# Altium PCB 磁感采集.PcbDoc
Units mil, origin at the board's own origin, x right, y up, seen from the top; angles counter-clockwise.
Board outline 2020.24 x 1041.32 mil, 2 copper layers (Top Layer, Bottom Layer); 37 components, 27 nets, 110 pads, 15 vias.
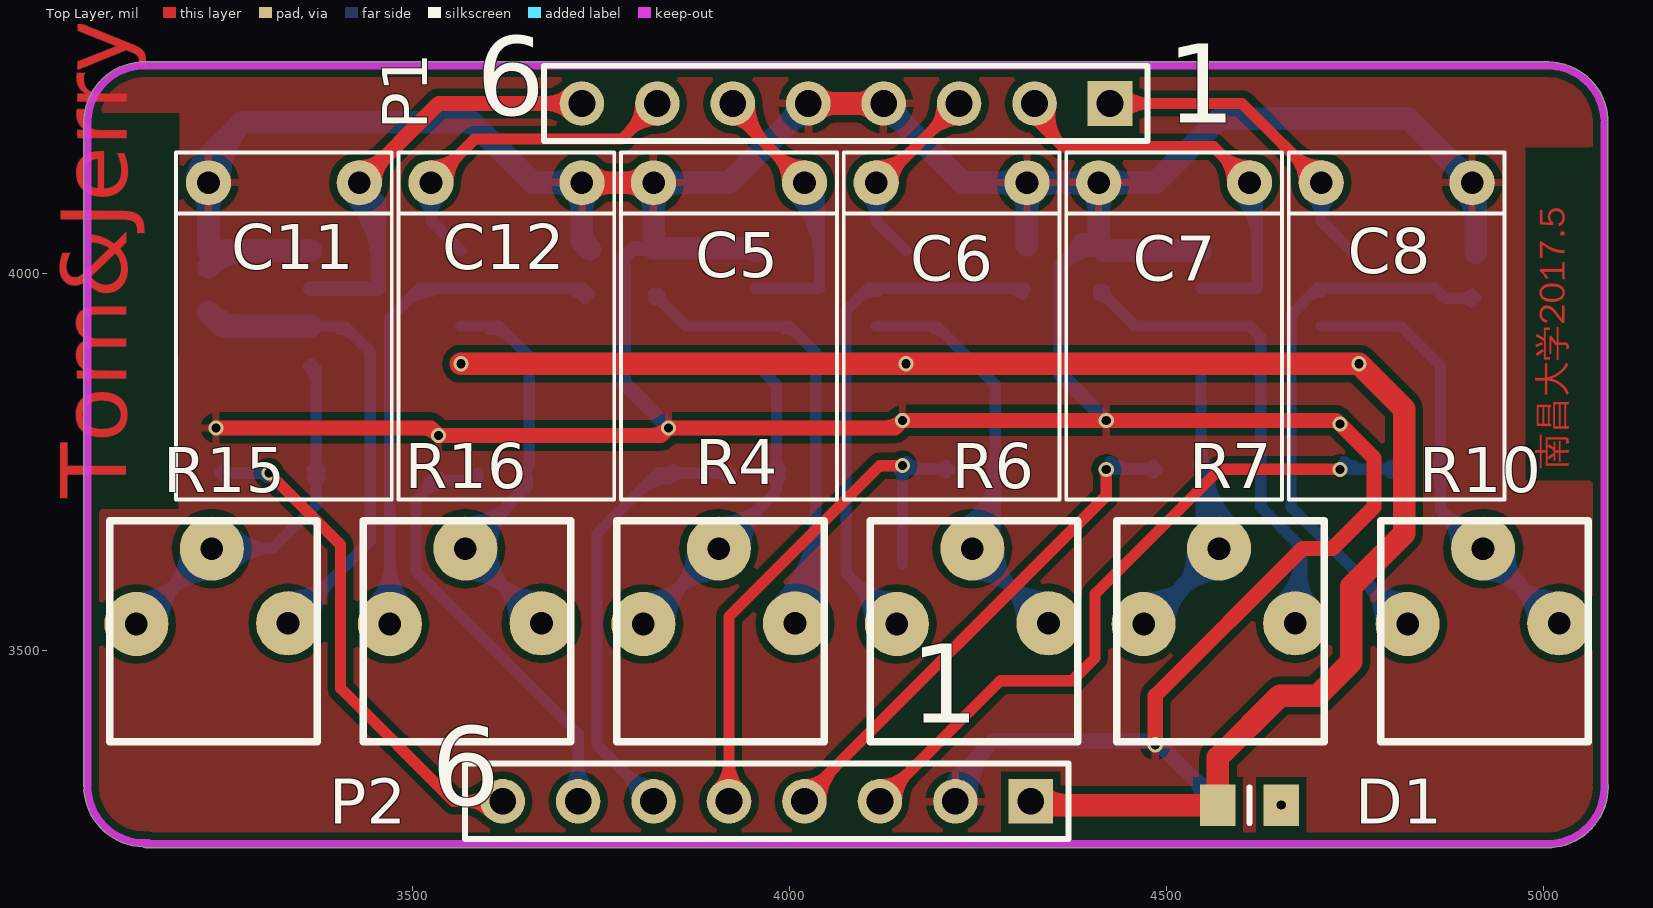
[diagram p0: Top Layer view]
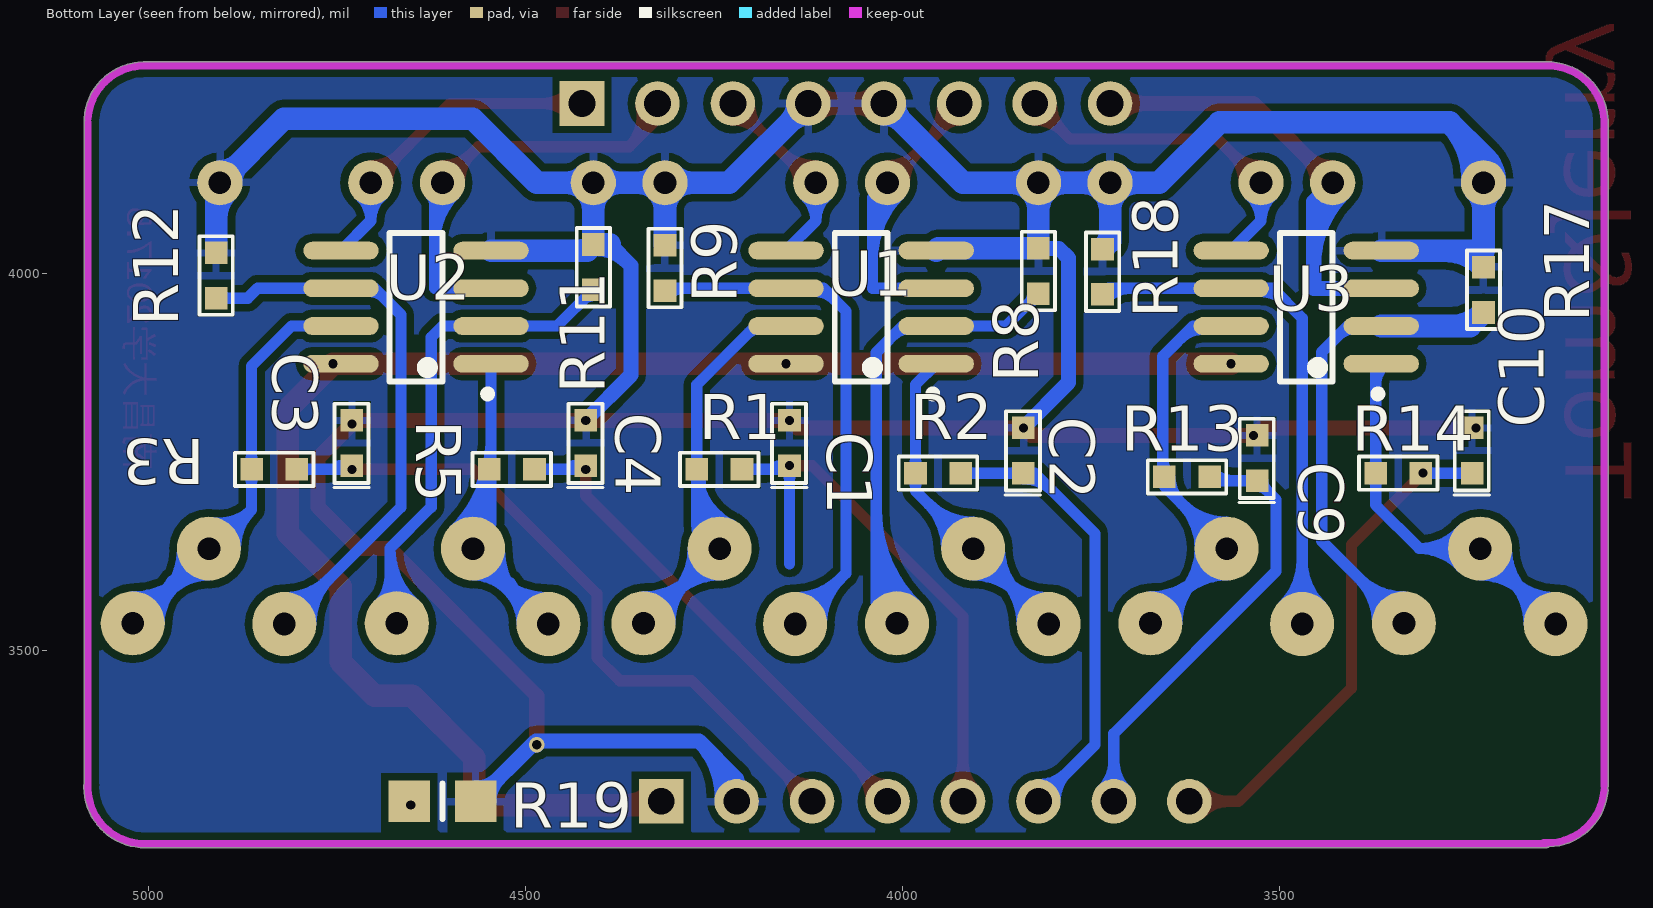
[diagram p1: Bottom Layer view, seen from below]
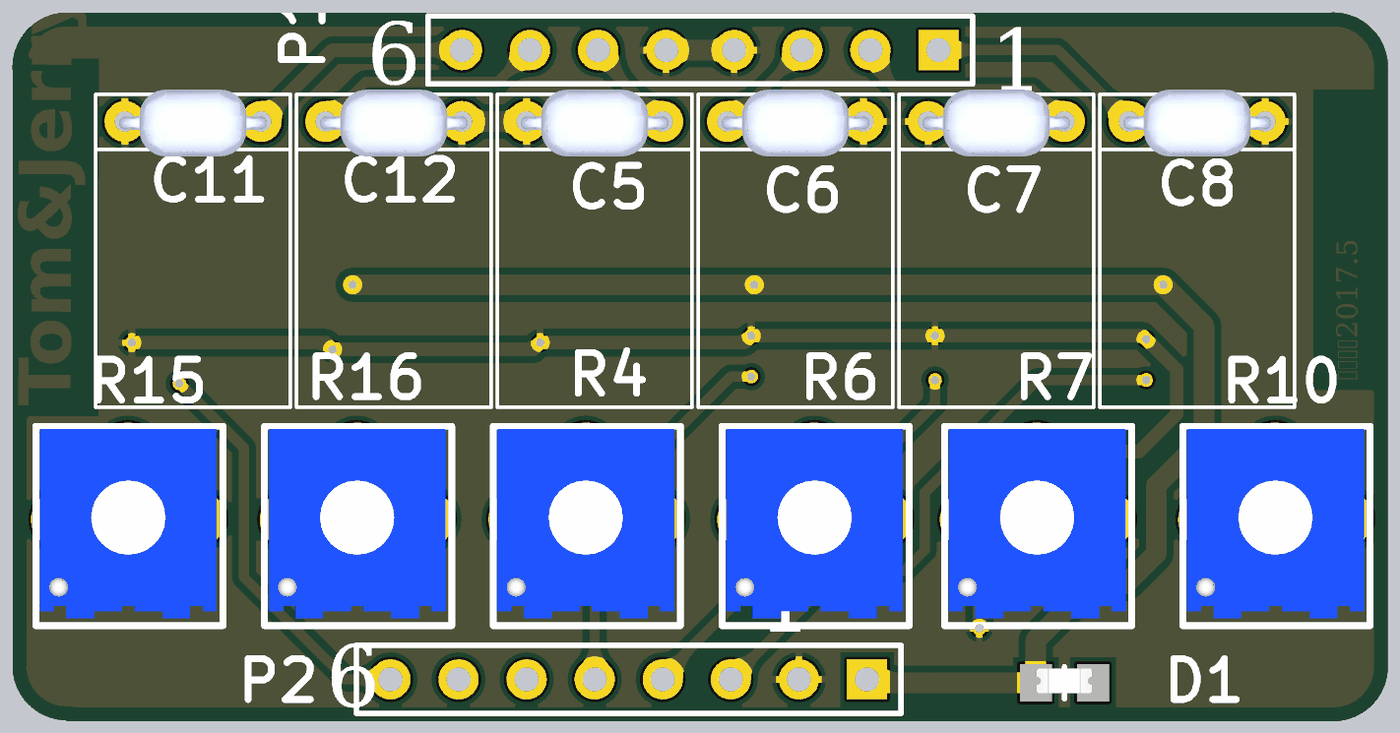
[diagram p2: 3D render of the assembled board from above, using the file's embedded part models]
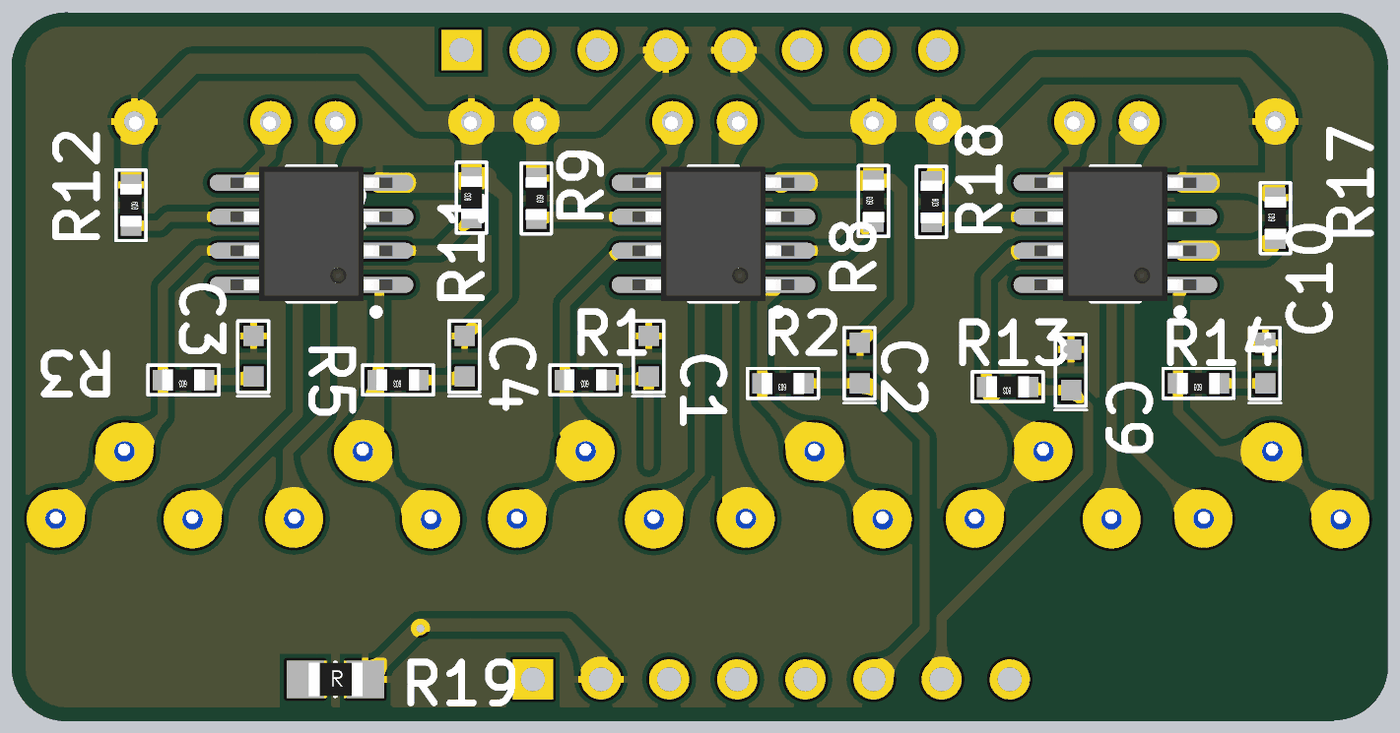
[diagram p3: 3D render of the assembled board from below, using the file's embedded part models]

## Layer stack, top to bottom
Top Layer: signal copper 1.4
Dielectric: dielectric 12.6, FR-4, Dk 4.8
Bottom Layer: signal copper 1.4

## Board outline
3065,3314.67 cw(c3070,3315) 3065.65,3317.5 cw(c3070,3320) 3064.99,3320 3064.99,4194.84 cw(c3145,4200) 3139.67,4280 cw(c3140,4275) 3140,4280.02 4999.84,4280.02 cw(c5005,4200) 5085,4205.33 cw(c5080,4205) 5085.01,4205 cw(c5080,4205) 5084.35,4202.5 cw(c5080,4200) 5085.02,4200 5085.02,3323.91 cw(c5005,3318.75) 5085.18,3318.75 cw(c5005,3318.75) 5010.33,3238.75 cw(c5010,3243.75) 5010,3238.74 3146.25,3238.74 cw(c3146.25,3243.75) 3143.11,3239.84 cw(c3145,3320)

## Design rules (kind name [scope] priority, off if disabled: settings)
Clearance [All] p1: gap=10
PolygonConnect [All] p1: connectstyle=Relief reliefconductorwidth=10 reliefentries=4 polygonreliefangle="90 Angle" airgapwidth=10
RoutingVias [All] p1: holewidth=28 width=50 viastyle="Through Hole" minholewidth=28 minwidth=50 maxholewidth=28 maxwidth=50
SolderMaskExpansion [All] p1: expansion=4
Width [All] p1: maxlimit=50 minlimit=15 preferedwidth=20
28 further rules are at their usual default settings.

## Components (designator, comment, footprint, x,y, rotation, side; value= is the part's Value field where it differs from the comment)
C1 "104" CAP-0603 4150,3775 r270 bottom
C2 "104" CAP-0603 3840,3765 r270 bottom
C3 "104" CAP-0603 4730,3775 r270 bottom
C4 "104" CAP-0603 4420,3775 r270 bottom
C5 "CAP682" CAP682 3920,4120 r0 top
C6 "CAP682" CAP682 4215,4120 r0 top
C7 "CAP682" CAP682 4510,4120 r0 top
C8 "CAP682" CAP682 4805,4120 r0 top
C9 "104" CAP-0603 3530,3755 r270 bottom
C10 "104" CAP-0603 3245,3765 r270 bottom
C11 "CAP682" CAP682 3330,4120 r0 top
C12 "CAP682" CAP682 3625,4120 r0 top
D1 "led" led0805 4600,3360 r0 top
P1 "IN" HDR1X8 4075,4225 r180 top
P2 "OUT" HDR1X8 3970,3300 r180 top
R1 "RES-0603" RES-0603 4245,3740 r0 bottom
R2 "RES-0603" RES-0603 3955,3735 r0 bottom
R3 "RES-0603" RES-0603 4835,3740 r0 bottom
R4 "RES" RES-change-3362P 3937,3760 r90 top
R5 "RES-0603" RES-0603 4520,3740 r0 bottom
R6 "RES" RES-change-3362P 4273,3760 r90 top
R7 "RES" RES-change-3362P 4600,3760 r90 top
R8 "RES-0603" RES-0603 3820,4005 r90 bottom
R9 "RES-0603" RES-0603 4315,4005 r270 bottom
R10 "RES" RES-change-3362P 4950,3760 r90 top
R11 "RES-0603" RES-0603 4410,4010 r90 bottom
R12 "RES-0603" RES-0603 4910,3995 r270 bottom
R13 "RES-0603" RES-0603 3625,3730 r0 bottom
R14 "RES-0603" RES-0603 3345,3735 r0 bottom
R15 "RES" RES-change-3362P 3265,3760 r90 top
R16 "RES" RES-change-3362P 3601,3760 r90 top
R17 "RES-0603" RES-0603 3230,3980 r90 bottom
R18 "RES-0603" RES-0603 3735,4000 r270 bottom
R19 "RES-0805" RES-0805 4615,3300 r180 bottom
U1 "LMV358" SOP-8 4010,3895 r0 bottom
U2 "LMV358" SOP-8 4600,3895 r0 bottom
U3 "LMV358" SOP-8 3420,3895 r0 bottom

## Footprints (in the part's own frame and the unit in brackets; to place one, negate y for a bottom-side part, rotate by r counter-clockwise, add the part's x,y. Pads: shape width x height; smd on the part's side, far side on the other; paste and mask are expansions set on the pad)
CAP682 [mil]
  round 60 hole 30: 1(-100,0) 2(100,0)
  silkscreen extent -143,-420 143,40, body extent -108,-51 108,47, height 267
CAP-0603 [mil]
  rect 30x30 smd: 1(30,0) 2(-30,0)
  silkscreen extent -52,-24 59,23, body extent -32,-16 31,16, height 35
HDR1X8 [mm] "Connector; Header; 8 Position"
  rect 1.5x1.5 hole 0.9: 1(-8.89,0)
  round 1.5 hole 0.9: 2(-6.35,0) 3(-3.81,0) 4(-1.27,0) 5(1.27,0) 6(3.81,0) 7(6.35,0) 8(8.89,0)
  silkscreen extent -10.16,-1.27 10.16,1.27, body extent -10.13,-1.27 10.19,1.27, height 8.6
led0805 [mil]
  rect 47.24x55.12 smd: 1(-32,-65) 2(52,-65)
  silkscreen extent 10,-89 10,-41, body extent -31,-80 51,-44, height 33
RES-0603 [mil]
  rect 30x30 smd: 1(28,0) 2(-32,0)
  silkscreen extent -54,-22 50,22, body extent -33,-16 30,16, height 12
RES-0805 [mm]
  rect 1.4x1.4 smd: 1(-0.991,0) 2(1.245,0)
  silkscreen extent 0.13,-0.6 0.13,0.6, body extent -1.36,-0.7 1.64,0.7, height 0.49
RES-change-3362P [mil]
  round 85 hole 30: 1(-224,-70.5) 2(-225,130.5) 3(-125,30.5)
  silkscreen extent -381,-109 -88,166, body extent -370,-100 -92,160, height 195
SOP-8 [mm]
  oval 2.54x0.6 smd: 1(-1.384,0.381) 2(-1.384,-0.889) 3(-1.384,-2.159) 4(-1.384,-3.429) 5(3.67,-3.429) 6(3.67,-2.159) 7(3.67,-0.889) 8(3.67,0.381)
  silkscreen extent -1.39,-4.02 2.03,1.52, body extent -1.88,-4.03 4.16,0.99, height 1.6

## Part data
C1 C2 C3 C4 C9 C10: library part CAP-0603
C5 C6 C7 C8 C11 C12: library part "CAP 682"
D1: library part led0805
P1 P2: library part "Header 8", "Header, 8-Pin"
R4 R6 R7 R10 R15 R16: library part RES-change-3362P

## Via types
v1: diameter 20, hole 12, Top Layer to Bottom Layer, 15 vias

## Nets (pads, with @x,y where several pads share a name; then routed paths per layer and width w, separated by ;. In a path a pad name is that pad's centre, name@x,y a point inside that pad or via, vN(x,y) a via of type N, cw(c..) or ccw(c..) an arc to the next point about the centre after c; other vN are vias at no path point)
5V: D1.1 P2.1 U1.8 U2.8 U3.8 | length 2215.9
  Top Layer w30: v1(3564.49,3880) v1(4154.49,3880) v1(4755,3880) 4815,3820 4815,3655 4745,3585 4745,3485 4700,3440 4650,3440 4568,3358 D1.1 P2.1@4325,3295 ; P2.1@4330.27,3310.27 ccw(c4367.14,3347.14) 4367.14,3295
GND: C1.2 C2.2 C3.2 C4.2 C5.1 C6.2 C7.1 C8.2 C9.2 C10.2 C11.1 C12.2 P1.4 P1.5 P2.2 R8.1 R9.2 R11.1 R12.2 R17.1 R18.2 R19.2 U1.4 U2.4 U3.4 | length 7926.6
  Top Layer w20: v1(3240,3795) 3525,3795 v1(3535,3785) ; 3510.86,3795 cw(c3510.86,3760.86) v1(3535,3785) ; 3815.86,3785 ccw(c3815.86,3819.14) v1(3840,3795) ; 4125.86,3795 ccw(c4125.86,3829.14) v1(4150,3805) ; v1(4485,3375) 4485,3440 4680,3635 4720,3635 4775,3690 4775,3755 v1(4730,3800) ; 4717.93,3805 cw(c4717.93,3787.93) v1(4730,3800) ; v1(3535,3785) 3830,3785 v1(3840,3795) ; v1(3840,3795) 4140,3795 v1(4150,3805) ; v1(4150,3805) v1(4420,3805) 4725,3805 v1(4730,3800)
  Top Layer w30: C12.2 C5.1 ; C12.2@3735.61,4109.39 cw(c3761.21,4083.79) 3761.21,4120 cw(c3761.21,4156.21) C12.2@3735.61,4130.61 ; C5.1@3809.39,4109.39 ccw(c3783.79,4083.79) 3783.79,4120 ccw(c3783.79,4156.21) C5.1@3809.39,4130.61 ; P1.5 P1.4 ; P1.5@4035.27,4214.73 cw(c4060.07,4189.93) 4060.07,4225 cw(c4060.07,4260.07) P1.5@4035.27,4235.27 ; P1.4@4114.73,4214.73 ccw(c4089.93,4189.93) 4089.93,4225 ccw(c4089.93,4260.07) P1.4@4114.73,4235.27
  Bottom Layer w20: R8.1 3793,4033 3780,4020 3780,3855 v1(3840,3795) ; P2.2@4212.1,3317.86 ccw(c4206.72,3330) 4220,3330 ; P2.2@4219.53,3299.98 cw(c4283.08,3303.09) 4238.09,3348.09 ; P2.2 4220,3330 ; P2.2@4227.9,3317.86 cw(c4233.28,3330) 4220,3330 ; P2.2@4239.5,3300.96 cw(c4343.92,3306.08) 4270,3380 ; 4363.91,4013.91 cw(c4410,3967.82) R11.1@4410,4033 ; 4388,4038 4360,4010 4360,3865 v1(4420,3805) ; 4472.93,3380 cw(c4472.93,3362.93) v1(4485,3375) cw(c4485,3360.51) 4495.24,3370.76 ; R19.2@4548.44,3300 ccw(c4506.05,3300) 4536.02,3329.98 ccw(c4566,3359.95) R19.2@4566,3317.56 ; R19.2 4486,3380 4270,3380 ; 4220,3330 4270,3380
  Bottom Layer w30: C11.1@3215.03,4119.1 cw(c3258.92,4121.73) 3227.83,4152.83 ; C11.1@3219.39,4109.39 cw(c3193.79,4083.79) 3230,4083.79 cw(c3266.21,4083.79) C11.1@3240.61,4109.39 ; C11.1@3219.66,4130.86 ccw(c3196.67,4155) 3230,4155 ; R17.1 cw(c3283.11,3954.89) 3283.11,4030 ; C11.1@3240.34,4130.86 cw(c3263.33,4155) 3230,4155 ; C11.1@3244.97,4120.9 cw(c3347.92,4127.07) 3275,4200 ; U3.4 3230,4030 C11.1 3230,4155 ; C12.2@3714.39,4130.61 cw(c3688.79,4156.21) 3688.79,4120 cw(c3688.79,4083.79) 3714.39,4109.39 cw(c3688.79,4083.79) 3725,4083.79 cw(c3761.21,4083.79) 3735.61,4109.39 cw(c3761.21,4083.79) 3761.21,4120 cw(c3761.21,4156.21) C12.2@3735.61,4130.61 ; 3725,4056.14 ccw(c3759.14,4056.14) R18.2 ; R18.2@3734,4033 3725,4042 C12.2 ; C5.1@3809.39,4130.61 cw(c3783.79,4156.21) 3783.79,4120 cw(c3783.79,4083.79) 3809.39,4109.39 cw(c3783.79,4083.79) 3820,4083.79 cw(c3856.21,4083.79) 3830.61,4109.39 cw(c3856.21,4083.79) 3856.21,4120 cw(c3856.21,4156.21) C5.1@3830.61,4130.61 ; U1.4 3952.51,4033 R8.1 C5.1 ; P1.5@4010.47,4225 cw(c3975.4,4225) 4000.2,4200.2 cw(c4025,4175.4) P1.5@4025,4210.47 ; P1.5 3920,4120 C5.1 ; P1.4@4125,4210.47 cw(c4125,4175.4) 4149.8,4200.2 cw(c4174.6,4225) P1.4@4139.53,4225 ; P1.4 4230,4120 C6.2 ; C6.2@4304.39,4130.61 cw(c4278.79,4156.21) 4278.79,4120 cw(c4278.79,4083.79) 4304.39,4109.39 cw(c4278.79,4083.79) 4315,4083.79 cw(c4351.21,4083.79) 4325.61,4109.39 cw(c4351.21,4083.79) 4351.21,4120 cw(c4351.21,4156.21) C6.2@4325.61,4130.61 ; R9.2 C6.2 ; 4388,4038 R11.1 ; C7.1@4399.39,4130.61 cw(c4373.79,4156.21) 4373.79,4120 cw(c4373.79,4083.79) 4399.39,4109.39 cw(c4373.79,4083.79) 4410,4083.79 cw(c4446.21,4083.79) 4420.61,4109.39 cw(c4446.21,4083.79) 4446.21,4120 cw(c4446.21,4156.21) C7.1@4420.61,4130.61 ; 4429.31,4030 cw(c4429.31,4057.31) R11.1 ; U2.4 4418,4030 R11.1 ; C8.2@4890,4120 ccw(c4853.79,4120) 4879.39,4145.61 ccw(c4905,4171.21) C8.2@4905,4135 ; C8.2@4894.39,4109.39 cw(c4856.71,4071.71) 4910,4071.71 ; R12.2 4910,4115 C8.2 4820,4205 4570,4205 4485,4120 C7.1 ; 3230,4155 3275,4200 ; 3275,4200 3580,4200 3660,4120 C12.2 ; C12.2 C5.1 ; C6.2 C7.1 ; R11.1 C7.1
IN1: C8.1 P1.1 U2.5 | length 674.9
  Top Layer w15: P1.1 4600,4225 C8.1 ; P1.1@4440.58,4209.42 cw(c4478.18,4171.82) 4478.18,4225 cw(c4478.18,4278.18) P1.1@4440.58,4240.58 ; C8.1@4682.5,4120 ccw(c4628.18,4120) 4666.59,4158.41 ccw(c4705,4196.82) C8.1@4705,4142.5
  Bottom Layer w15: C8.1@4689.95,4103.27 cw(c4659.56,4069.49) 4705,4069.49 ; C8.1 4705,4069.49 ; C8.1@4720.05,4103.27 ccw(c4750.44,4069.49) 4705,4069.49 ; U2.5 4705,4069.49
IN2: C7.2 P1.2 U2.3 | length 867.8
  Top Layer w15: P1.2 4325,4205 4362.5,4167.5 ; P1.2@4331.88,4223.59 ccw(c4371.13,4215.53) 4342.8,4187.2 ; P1.2@4346.58,4220.57 ccw(c4403.82,4208.82) 4362.5,4167.5 ; C7.2@4587.5,4120 ccw(c4533.18,4120) 4571.59,4158.41 ccw(c4610,4196.82) C7.2@4610,4142.5 ; C7.2 4562.5,4167.5 4362.5,4167.5
  Bottom Layer w15: U2.3 4620,3980 4620,4110 C7.2 ; C7.2@4594.09,4104.09 cw(c4531.54,4041.54) 4620,4041.54 ; C7.2@4604.7,4114.7 cw(c4567.75,4077.75) 4620,4077.75 ; 4620,4089.82 cw(c4640.18,4089.82) C7.2@4625.91,4104.09
IN3: C6.1 P1.3 U1.5 | length 504.9
  Top Layer w15: C6.1 4120,4120 P1.3 ; C6.1@4115,4142.5 ccw(c4115,4208.89) 4161.95,4161.95 ; C6.1@4137.5,4120 cw(c4179.75,4120) 4149.87,4149.87 ; P1.3@4202.97,4225 cw(c4149.79,4225) 4187.4,4187.4 cw(c4225,4149.79) P1.3@4225,4202.97
  Bottom Layer w15: C6.1@4099.95,4103.27 cw(c4069.56,4069.49) 4115,4069.49 ; C6.1 4115,4069.49 ; C6.1@4130.05,4103.27 ccw(c4160.44,4069.49) 4115,4069.49 ; U1.5 4115,4069.49
IN4: C5.2 P1.6 U1.3 | length 781.8
  Top Layer w15: P1.6@3925,4202.97 cw(c3925,4173.94) 3945.53,4194.47 ; P1.6 3925,4215 C5.2 ; P1.6@3932.03,4225 ccw(c3973.14,4225) 3944.07,4195.93 ; P1.6@3947.03,4225 ccw(c4024.35,4225) 3969.67,4170.33 ; C5.2@3997.5,4120 ccw(c3943.18,4120) 3981.59,4158.41 ccw(c4020,4196.82) C5.2@4020,4142.5
  Bottom Layer w15: U1.3 4040,3980 4040,4100 C5.2 ; C5.2@4004.09,4104.09 cw(c3917.4,4017.4) 4040,4017.4 ; C5.2@4014.7,4114.7 cw(c3953.61,4053.61) 4040,4053.61 ; C5.2@4025.3,4125.3 cw(c3989.82,4089.82) 4040,4089.82
IN5: C12.1 P1.7 U3.5 | length 694.9
  Top Layer w15: C12.1 3582.97,4177.97 3777.97,4177.97 P1.7 ; C12.1@3525,4142.5 ccw(c3525,4196.82) 3563.41,4158.41 ccw(c3601.82,4120) C12.1@3547.5,4120 ; P1.7@3802.97,4225 cw(c3749.79,4225) 3787.4,4187.4 cw(c3825,4149.79) P1.7@3825,4202.97
  Bottom Layer w15: C12.1@3509.95,4103.27 cw(c3479.56,4069.49) 3525,4069.49 ; C12.1 3525,4069.49 ; C12.1@3540.05,4103.27 ccw(c3570.44,4069.49) 3525,4069.49 ; U3.5 3525,4069.49
IN6: C11.2 P1.8 U3.3 | length 900.2
  Top Layer w20: C11.2 3535,4225 P1.8 ; C11.2@3430,4140 ccw(c3430,4188.28) 3464.14,4154.14 ccw(c3498.28,4120) C11.2@3450,4120 ; P1.8@3711.19,4211.19 ccw(c3677.86,4177.86) 3677.86,4225 ccw(c3677.86,4272.14) P1.8@3711.19,4238.81
  Bottom Layer w20: U3.3 3455,3980 3455,4095 C11.2 cw(c3369.64,4059.64) 3455,4059.64 ; C11.2@3415.86,4105.86 cw(c3321.36,4011.36) 3455,4011.36
NetD1_2: D1.2 R19.1
  other v1: 4652,3295
NetR1_1: R1.1 R6.1 R6.3 U1.7 | length 1361.7
  Bottom Layer w15: U1.7@4115,3930 U1.7 4195,3930 4273,3852 R1.1 ; U1.7@4192.68,3925.69 cw(c4192.68,3909.67) 4204,3921 ; R6.3@4227.11,3666.43 ccw(c4191.1,3740) R1.1 ; R6.3@4233.71,3652.96 ccw(c4202.87,3715.95) 4273,3715.95 ; R6.3@4240.3,3639.49 ccw(c4214.64,3691.91) 4273,3691.91 ; R6.3@4242.5,3600 cw(c4242.5,3515.5) 4302.25,3575.25 cw(c4362,3635) R6.3@4277.5,3635 ; R6.3@4242.5,3615 cw(c4242.5,3566.72) 4276.64,3600.86 cw(c4310.78,3635) R6.3@4262.5,3635 ; R6.3@4246.9,3626.02 ccw(c4226.41,3667.86) 4273,3667.86 ; R1.1@4266.5,3736.25 cw(c4250.82,3727.19) 4268.31,3722.51 cw(c4285.8,3717.83) R1.1@4276.75,3733.5 ; R1.1@4267.7,3734.7 cw(c4254.89,3721.89) 4273,3721.89 cw(c4291.11,3721.89) R1.1@4278.3,3734.7 ; R1.1@4267.7,3745.3 ccw(c4254.89,3758.11) 4273,3758.11 ccw(c4291.11,3758.11) R1.1@4278.3,3745.3 ; 4280.34,3597.16 ccw(c4343.5,3660.33) R6.1@4343.5,3571 ; 4285.17,3592.33 cw(c4228.83,3536) R6.1@4308.5,3536 ; 4305.94,3571.56 ccw(c4343.5,3609.11) R6.1@4343.5,3556 ; 4310.77,3566.73 cw(c4280.04,3536) R6.1@4323.5,3536 ; R6.1@4341.5,3536 R6.3 4273,3665.5 R1.1
NetR2_1: R2.1 R4.2 R4.3 U1.1 | length 1112.1
  Bottom Layer w15: R4.2 R4.3 3983,3711.5 R2.1 3983,3852.51 U1.1 ; R4.2@3806.5,3555 ccw(c3806.5,3603.28) 3840.64,3569.14 ccw(c3874.78,3535) R4.2@3826.5,3535 ; R4.2@3806.5,3570 ccw(c3806.5,3654.5) 3866.25,3594.75 ccw(c3926,3535) R4.2@3841.5,3535 ; R4.3@3871.5,3635 cw(c3787,3635) 3846.75,3575.25 cw(c3906.5,3515.5) R4.3@3906.5,3600 ; R4.3@3886.5,3635 cw(c3838.22,3635) 3872.36,3600.86 cw(c3906.5,3566.72) R4.3@3906.5,3615 ; R4.3@3906.5,3655 ccw(c3906.5,3703.28) 3940.64,3669.14 ccw(c3974.78,3635) R4.3@3926.5,3635 ; R4.3@3906.5,3670 ccw(c3906.5,3754.5) 3966.25,3694.75 ccw(c4026,3635) R4.3@3941.5,3635 ; R2.1@3977.7,3729.7 cw(c3964.89,3716.89) 3983,3716.89 cw(c4001.11,3716.89) R2.1@3988.3,3729.7 ; R2.1@3977.7,3740.3 ccw(c3964.89,3753.11) 3983,3753.11 ccw(c4001.11,3753.11) R2.1@3988.3,3740.3
NetR3_1: R3.1 R10.1 R10.3 U2.7 | length 1290.6
  Bottom Layer w15: U2.7@4705,3930 U2.7 4810,3930 4863,3877 R3.1 4863,3686.5 ; R3.1@4857.7,3734.7 cw(c4844.89,3721.89) 4863,3721.89 cw(c4881.11,3721.89) R3.1@4868.3,3734.7 ; R3.1@4857.7,3745.3 ccw(c4844.89,3758.11) 4863,3758.11 ccw(c4881.11,3758.11) R3.1@4868.3,3745.3 ; 4863.29,3686.21 cw(c4812.07,3635) R10.3@4884.5,3635 ; 4884.02,3665.48 ccw(c4910.88,3692.33) R10.3@4916.53,3654.78 ; R10.3@4914.29,3669.61 cw(c4905.38,3728.87) 4863,3686.5 ; R10.3@4919.5,3600 cw(c4919.5,3527.57) 4970.71,3578.79 ; R10.3@4939.5,3635 ccw(c4999.86,3635) 4957.18,3592.32 ; 4948.8,3600.7 ccw(c5020.5,3672.4) R10.1@5020.5,3571 ; R10.3@4954.5,3635 ccw(c5051.07,3635) 4982.78,3566.72 ; 4965.7,3583.8 cw(c4917.9,3536) R10.1@4985.5,3536 ; 4967.92,3592.47 ccw(c5032.38,3629.69) R10.1@5023.02,3555.84 ; 4974.41,3575.09 ccw(c5020.5,3621.18) R10.1@5020.5,3556 ; 4983.03,3566.28 ccw(c5027.6,3592.02) R10.1@5021.13,3540.96 ; 4984.15,3564.34 cw(c4962.14,3551.64) R10.1@4986.69,3545.06 ; R10.1@5015.5,3536 5013.5,3536 4914.5,3635 4863,3686.5
NetR4_1: R4.1 R8.2 U1.2 | length 1056
  Bottom Layer w15: R8.2@3820,3965.5 cw(c3820,3947.39) 3832.8,3960.2 cw(c3845.61,3973) R8.2@3827.5,3973 ; R8.2 3863,3930 U1.2 4000,3930 4035,3895 4035,3563.5 R4.1 ; R4.1@3982.75,3560.75 ccw(c3856.61,3686.89) 4035,3686.89 ; R4.1@3993.36,3550.14 ccw(c3892.82,3650.68) 4035,3650.68 ; U1.2@3993.7,3925.69 cw(c3993.7,3900.07) 4011.81,3918.19 ; R4.1@4003.96,3539.54 ccw(c3929.04,3614.46) 4035,3614.46 ; R4.1@4014.57,3528.93 ccw(c3965.25,3578.25) 4035,3578.25
NetR5_1: R5.1 R7.2 R7.3 U2.1 | length 1315
  Bottom Layer w15: R7.2@4467.2,3554.87 ccw(c4458.96,3625.84) 4520.84,3590.12 ; R7.2@4468.92,3539.97 ccw(c4463.25,3588.92) 4505.92,3564.28 ; R7.2@4469.5,3555 ccw(c4469.5,3625.01) 4519.01,3575.51 ; R7.2@4469.5,3570 ccw(c4469.5,3676.23) R7.3@4544.61,3601.11 ; R7.2@4478.5,3535 4578.5,3635 4545.51,3667.99 U2.1 ; R7.2@4503.31,3544.06 cw(c4529.18,3550.99) 4505.98,3564.38 ; R7.2@4503.39,3559.89 ccw(c4428.27,3635) R7.3@4534.5,3635 ; R7.2@4504.5,3535 cw(c4567.27,3535) 4522.88,3579.38 ; 4525.12,3581.62 cw(c4569.5,3537.23) R7.3@4569.5,3600 ; 4528.99,3585.49 ccw(c4479.49,3635) R7.3@4549.5,3635 ; R5.1@4542.13,3744.67 ccw(c4523.2,3759.71) 4547.22,3762.46 ; R5.1@4545.25,3733.02 cw(c4536.62,3711.11) 4558.22,3720.5 ; 4545.51,3704.98 ccw(c4639.48,3704.98) R7.3@4573.04,3638.54 ; 4545.51,3715.89 cw(c4572.11,3715.89) R5.1@4553.3,3734.7 ; R5.1@4545.51,3741.2 ccw(c4675.7,3741.2) R7.3@4583.64,3649.14 ; 4545.51,3764.11 ccw(c4572.11,3764.11) R5.1@4553.3,3745.3 ; 4545.51,3777.41 ccw(c4711.91,3777.41) R7.3@4594.25,3659.75 ; 4551.39,3716.88 cw(c4576.08,3722.86) R5.1@4554.4,3736.09
NetR6_2: R6.2 R9.1 U1.6 | length 952.8
  Bottom Layer w15: 4089.65,3964.65 cw(c4116.3,3938) U1.6@4116.3,3975.69 ; R6.2@4107.5,3535 ccw(c4023,3535) 4082.75,3594.75 ccw(c4142.5,3654.5) R6.2@4142.5,3570 ; R6.2@4122.5,3535 ccw(c4074.22,3535) 4108.36,3569.14 ccw(c4142.5,3603.28) R6.2@4142.5,3555 ; R6.2 4075,3602.5 4075,3950 4105,3980 U1.6 R9.1@4312,3980 ; 4289.65,3980 cw(c4289.65,3951.65) R9.1@4309.7,3971.7
NetR7_1: R7.1 R11.2 U2.2 | length 853.4
  Bottom Layer w15: R11.2@4410,3970.5 cw(c4410,3952.39) 4422.8,3965.2 cw(c4435.61,3978) R11.2@4417.5,3978 ; R11.2 4458,3930 U2.2 4610,3930 4625,3915 4625,3690 4679.5,3635.5 ; R7.1@4646.95,3561.89 ccw(c4580.01,3635.5) 4679.5,3635.5 ; R7.1@4657.04,3550.8 ccw(c4610.86,3601.58) 4679.5,3601.58 ; R7.1@4679.5,3536 4679.5,3635.5 ; 4679.5,3598.77 ccw(c4733.27,3598.77) R7.1@4695.25,3560.75
NetR10_2: R10.2 R12.1 U2.6 | length 993.9
  Bottom Layer w15: 4688.19,3968.19 cw(c4706.3,3950.07) U2.6@4706.3,3975.69 ; 4759.4,3595.6 cw(c4698.8,3535) R10.2@4784.5,3535 ; 4760.6,3594.4 ccw(c4819.5,3653.29) R10.2@4819.5,3570 ; 4785,3570 cw(c4750.01,3535) R10.2@4799.5,3535 ; 4786.21,3568.79 ccw(c4819.5,3602.08) R10.2@4819.5,3555 ; R10.2@4814.5,3535 4814.5,3540.5 4665,3690 4665,3945 4700,3980 U2.6 4855,3980 4868,3967 R12.1 ; R12.1@4904.7,3961.7 ccw(c4891.89,3948.89) 4891.89,3967 ccw(c4891.89,3985.11) R12.1@4904.7,3972.3
NetR13_1: R13.1 R16.1 R16.3 U3.7 | length 1238
  Bottom Layer w15: U3.7 3615,3930 3655,3890 3655,3745 ; R16.3@3570.5,3600 cw(c3570.5,3515.5) 3630.25,3575.25 cw(c3690,3635) 3605.5,3635 cw(c3690,3635) 3630.25,3694.75 cw(c3570.5,3754.5) R16.3@3570.5,3670 ; R16.3@3570.5,3615 cw(c3570.5,3566.72) 3604.64,3600.86 cw(c3638.78,3635) 3590.5,3635 cw(c3638.78,3635) 3604.64,3669.14 cw(c3570.5,3703.28) R16.3@3570.5,3655 ; U3.7@3602.68,3925.69 cw(c3602.68,3885.53) 3631.07,3913.93 ; 3608.34,3597.16 ccw(c3671.5,3660.33) R16.1@3671.5,3571 ; 3613.17,3592.33 cw(c3556.83,3536) R16.1@3636.5,3536 ; 3631.36,3695.86 ccw(c3597.22,3730) R13.1@3645.5,3730 ; 3633.94,3571.56 ccw(c3671.5,3609.11) R16.1@3671.5,3556 ; 3638.77,3566.73 cw(c3608.04,3536) R16.1@3651.5,3536 ; R13.1@3647.7,3735.3 ccw(c3630.07,3752.93) 3655,3752.93 ; R13.1 3653,3717.5 R16.3 3669.5,3536 R16.1
NetR14_1: R14.1 R15.2 R15.3 U3.1 | length 1189.9
  Bottom Layer w15: R15.2 R15.3 3315,3635 ; R15.2@3134.5,3555 ccw(c3134.5,3603.28) 3168.64,3569.14 ccw(c3202.78,3535) R15.2@3154.5,3535 ; R15.2@3134.5,3570 ccw(c3134.5,3654.5) 3194.25,3594.75 ccw(c3254,3535) R15.2@3169.5,3535 ; R15.3@3199.5,3635 cw(c3115,3635) 3174.75,3575.25 cw(c3234.5,3515.5) R15.3@3234.5,3600 ; R15.3@3214.5,3635 cw(c3166.22,3635) 3200.36,3600.86 cw(c3234.5,3566.72) R15.3@3234.5,3615 ; R15.3@3249.13,3621.36 cw(c3280.5,3592.1) 3280.5,3635 cw(c3280.5,3677.9) R15.3@3249.13,3648.64 ; R15.3@3260.1,3611.13 cw(c3315,3559.93) 3315,3635 ; R15.3@3260.1,3658.87 ccw(c3315,3710.07) 3315,3635 ; U3.1@3362.46,3876.95 cw(c3337.03,3851.51) 3373,3851.51 ; U3.1 3373,3872.51 R14.1 3373,3693 3315,3635 ; R14.1@3367.7,3729.7 cw(c3354.89,3716.89) 3373,3716.89 cw(c3391.11,3716.89) R14.1@3378.3,3729.7 ; R14.1@3367.7,3740.3 ccw(c3354.89,3753.11) 3373,3753.11 ccw(c3391.11,3753.11) R14.1@3378.3,3740.3
NetR15_1: R15.1 R17.2 U3.2 | length 917.9
  Bottom Layer w15: R15.1 3444.5,3645 3444.5,3895.5 3410,3930 U3.2 ; R15.1@3335.5,3556 ccw(c3335.5,3604.28) 3369.64,3570.14 ccw(c3403.78,3536) R15.1@3355.5,3536 ; R15.1@3335.5,3571 ccw(c3335.5,3655.5) 3395.25,3595.75 ccw(c3455,3536) R15.1@3370.5,3536 ; U3.2@3403.7,3925.69 cw(c3403.7,3900.07) 3421.81,3918.19
  Bottom Layer w30: 3273.46,3930 cw(c3273.46,3991.46) R17.2 3248,3930 U3.2
NetR16_2: R16.2 R18.1 U3.6 | length 973
  Bottom Layer w15: R16.2@3445.75,3559.75 ccw(c3386,3619.5) 3470.5,3619.5 ccw(c3555,3619.5) R16.2@3495.25,3559.75 ; R16.2@3456.36,3549.14 ccw(c3422.22,3583.28) 3470.5,3583.28 ccw(c3518.78,3583.28) R16.2@3484.64,3549.14 ; R16.2 3470.5,3940.5 3510,3980 U3.6 3727,3980 R18.1 ; 3491.12,3961.12 cw(c3526.3,3925.93) U3.6@3526.3,3975.69 ; 3697.58,3980 cw(c3697.58,3934.58) R18.1@3729.7,3966.7
OUT1: C3.1 P2.3 R3.2 | length 1068.4
  Top Layer w15: P2.3 4280,3460 4375,3460 4405,3490 4405,3575 4570,3740 v1(4730,3740) ; P2.3@4120,3322.03 ccw(c4120,3375.21) 4157.6,3337.6 ccw(c4195.21,3300) P2.3@4142.03,3300
  Bottom Layer w15: C3.1@4732.1,3738.64 cw(c4743.82,3731.05) 4748.56,3744.19 ; C3.1@4735,3740 R3.2 ; C3.1@4735.3,3750.3 ccw(c4760.18,3775.18) 4760.18,3740 ; R3.2@4797.7,3734.7 ccw(c4784.89,3721.89) 4784.89,3740 ccw(c4784.89,3758.11) R3.2@4797.7,3745.3
OUT2: C4.1 P2.4 R5.2 | length 827
  Top Layer w15: P2.4 4020,3305 4420,3705 v1(4420,3740) ; P2.4@4020,3322.03 ccw(c4020,3363.14) 4049.07,3334.07 ; P2.4@4042.03,3300 cw(c4107.28,3300) 4061.14,3346.14
  Bottom Layer w15: C4.1@4422.1,3738.64 cw(c4433.82,3731.05) 4438.56,3744.19 ; C4.1@4425,3740 R5.2 ; C4.1@4425.3,3750.3 ccw(c4450.18,3775.18) 4450.18,3740 ; R5.2@4482.7,3734.7 ccw(c4469.89,3721.89) 4469.89,3740 ccw(c4469.89,3758.11) R5.2@4482.7,3745.3
OUT3: C1.1 P2.5 R1.2 | length 949
  Top Layer w15: P2.5@3904.42,3315.58 ccw(c3866.82,3353.18) 3920,3353.18 ccw(c3973.18,3353.18) P2.5@3935.58,3315.58 ; P2.5 3920,3545 4120,3745 v1(4150,3745)
  Bottom Layer w15: C1.1@4144.7,3739.7 cw(c4131.89,3726.89) 4150,3726.89 cw(c4168.11,3726.89) C1.1@4155.3,3739.7 ; 4150,3615 v1(4150,3745) ; C1.1@4151.35,3742.9 cw(c4159.72,3729.91) 4167.45,3743.29 ; C1.1@4151.77,3746.77 ccw(c4168.11,3763.11) 4168.11,3740 ; C1.1@4155,3740 R1.2 ; C1.1@4155.3,3750.3 ccw(c4180.18,3775.18) 4180.18,3740 ; R1.2@4207.7,3734.7 ccw(c4194.89,3721.89) 4194.89,3740 ccw(c4194.89,3758.11) R1.2@4207.7,3745.3
OUT4: C2.1 P2.6 R2.2 | length 780.3
  Bottom Layer w15: P2.6@3797.97,3300 ccw(c3744.79,3300) 3782.4,3337.6 ccw(c3820,3375.21) P2.6@3820,3322.03 ; 3801.59,3711.59 cw(c3840,3673.18) C2.1@3840,3727.5 ; P2.6 3745,3375 3745,3655 3825,3735 C2.1 R2.2 ; C2.1@3845.3,3729.7 cw(c3858.11,3716.89) 3858.11,3735 cw(c3858.11,3753.11) C2.1@3845.3,3740.3 ; R2.2@3917.7,3729.7 ccw(c3904.89,3716.89) 3904.89,3735 ccw(c3904.89,3753.11) R2.2@3917.7,3740.3
OUT5: C9.1 P2.7 R13.2 | length 750.5
  Bottom Layer w15: C9.1@3522.5,3725 cw(c3504.39,3725) 3517.2,3712.2 cw(c3530,3699.39) C9.1@3530,3717.5 ; C9.1@3535.3,3719.7 cw(c3548.11,3706.89) 3548.11,3725 cw(c3548.11,3743.11) C9.1@3535.3,3730.3 ; 3562.82,3725 ccw(c3562.82,3760.18) R13.2@3587.7,3735.3 ; R13.2@3588,3725 C9.1 3505,3700 3505,3605 3720,3390 P2.7 ; P2.7@3704.42,3315.58 ccw(c3666.82,3353.18) 3720,3353.18 ccw(c3773.18,3353.18) P2.7@3735.58,3315.58
OUT6: C10.1 P2.8 R14.2 | length 809.9
  Top Layer w15: v1(3310,3735) 3405,3640 3405,3450 3555,3300 P2.8 ; P2.8@3604.42,3284.42 ccw(c3566.82,3246.82) 3566.82,3300 ccw(c3566.82,3353.18) P2.8@3604.42,3315.58
  Bottom Layer w15: C10.1 v1(3310,3735) R14.2 ; C10.1@3250.3,3729.7 cw(c3263.11,3716.89) 3263.11,3735 cw(c3263.11,3753.11) C10.1@3250.3,3740.3 ; R14.2@3307.7,3729.7 ccw(c3294.89,3716.89) 3294.89,3735 ccw(c3294.89,3753.11) R14.2@3307.7,3740.3
copper on no net: | length 3860
  Bottom Layer w15: 0,66660 0,70520

## Polygon pours and split planes (outlines as drawn)
GND on Top Layer "Bottom Layer-No Net" (solid, remove dead copper, pour order 8): 3000,4310 3015,4295 5115,4295 5115,3200 5110,3195 5095,3210 3035,3210
GND on Bottom Layer "Bottom Layer-No Net" (solid, remove dead copper, pour order 10): 2990,4310 5120,4310 5100,4290 5100,3195 3055,3195 3020,3160

## Keep-outs
Keep-Out Layer:
  lines w10: 3070,3315 ccw(c3145,3320) 3150,3245 ; 3070,3320 3070,4205 ; 3070,4195 cw(c3145,4200) 3140,4275 5005,4275 ; 3146.25,3243.75 5010,3243.75 ccw(c5005,3318.75) 5080,3323.75 5080,4200 ; 5000,4275 cw(c5005,4200) 5080,4205

## Other copper
Top Layer:
  text "南昌大学2017.5" at 5040,3740 h60 r90
  text "Tom&Jerry" at 3150,3702 h150 r89.88

## Silkscreen, mask and mechanical layers (free items; w line width, h text height)
Top Overlay:
  text "6" at 3585,4175 h180
  text "1" at 4500,4165 h180
  text "1" at 4160,3370 h180
  text "6" at 3525,3260 h180